# Altium PCB Spektrop2_Sensor_Board_CMV4000_V1.PcbDoc (part 1 of 2) (continued)
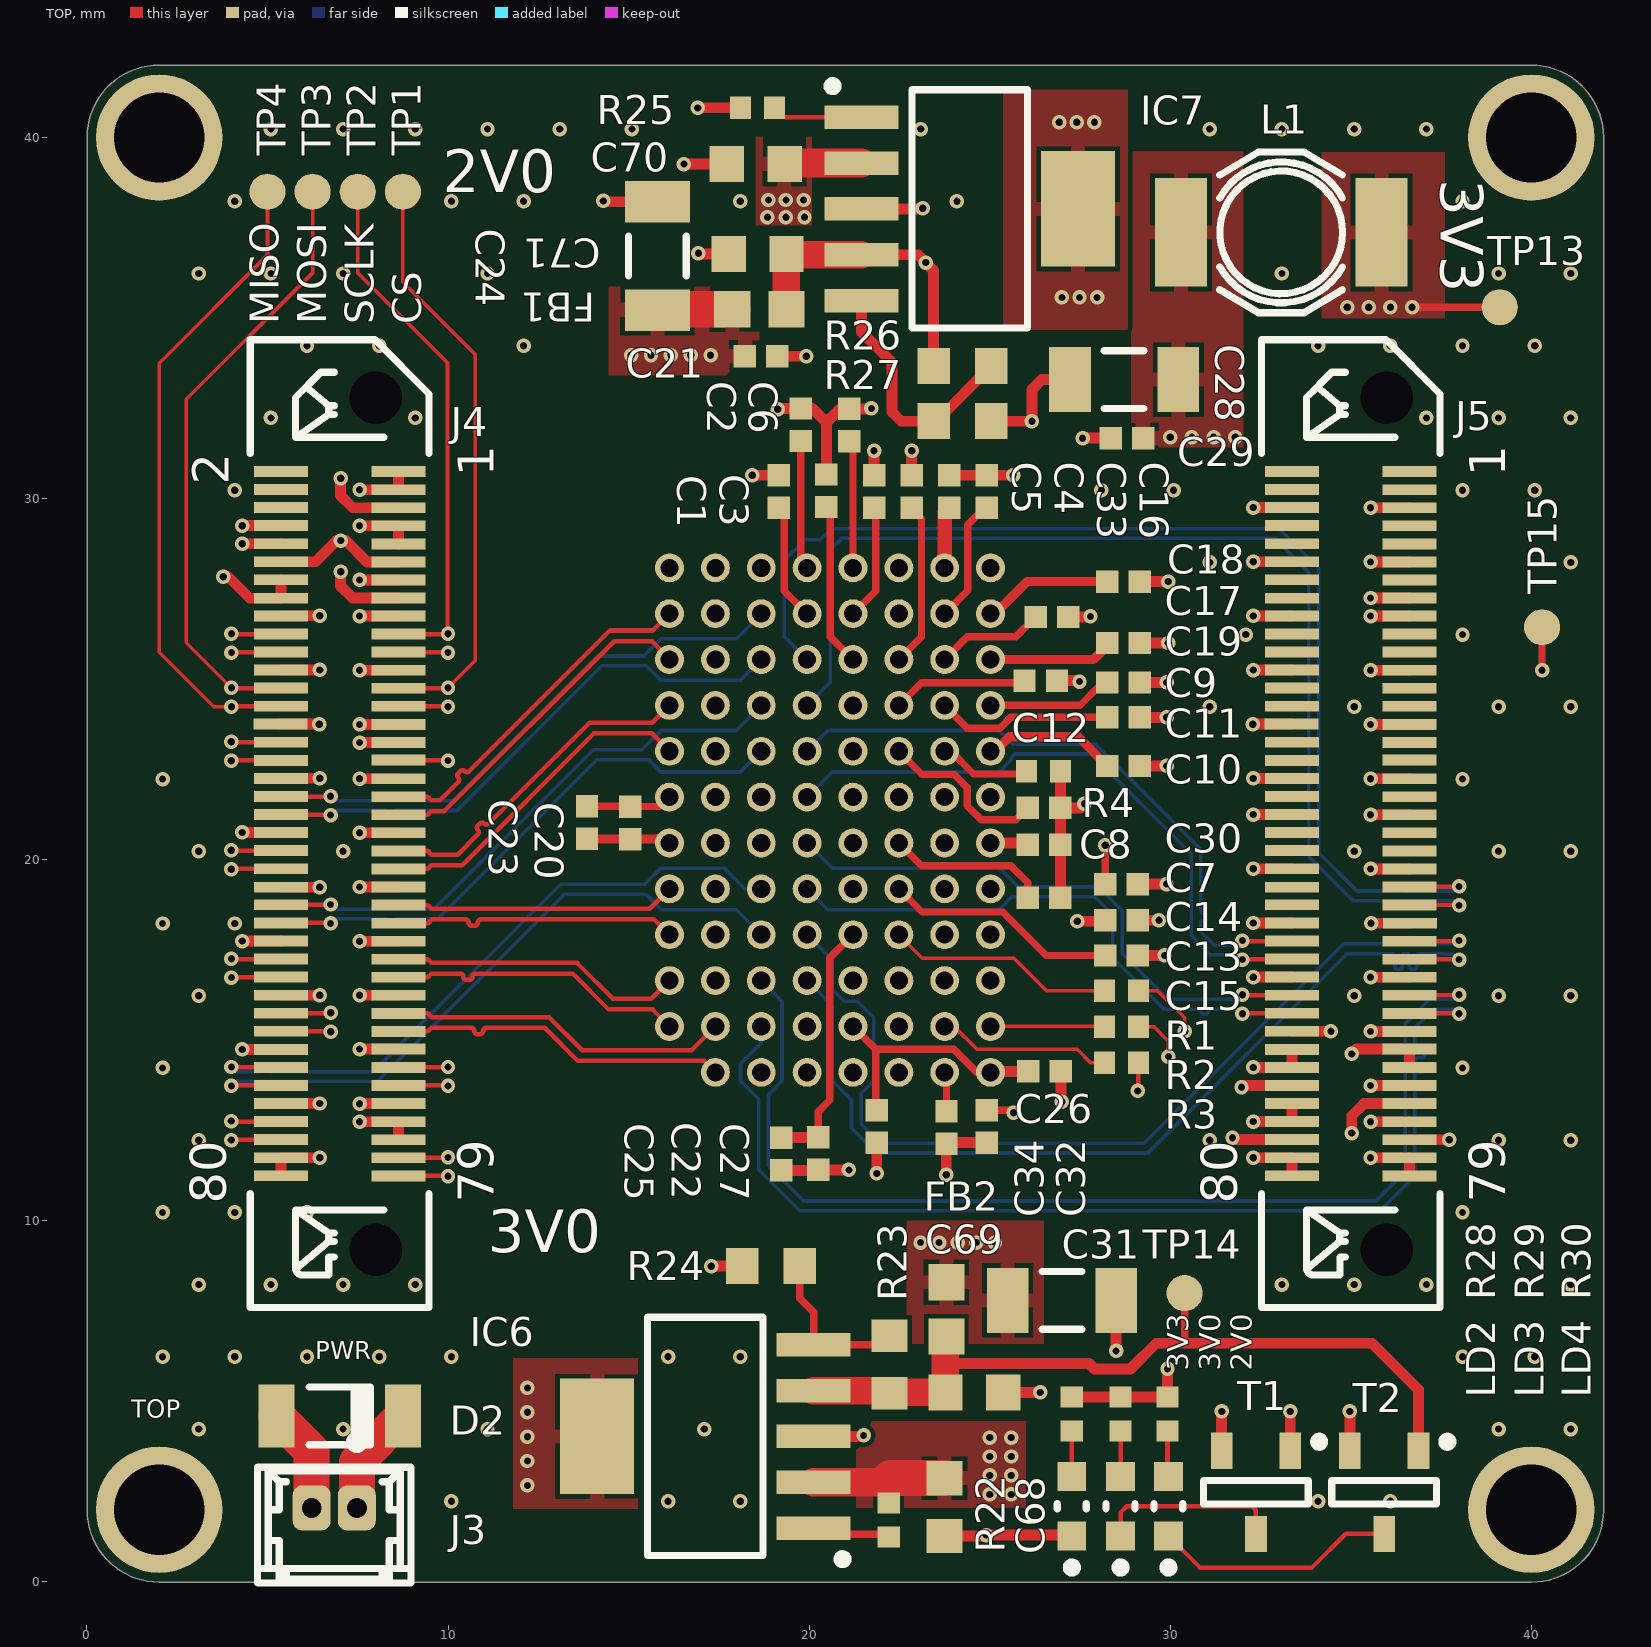
[diagram p0: TOP view]
## Design rules (kind name [scope] priority, off if disabled: settings) (continued)
13 further rules are at their usual default settings.

## Classes and differential pairs
net class CTRL: CLK_IN FRAME_REQ SPI_CLK SPI_EN SPI_IN SPI_OUT SPI_OUT_R SYS_RES_N T_dig1 T_dig1_R T_dig2 T_dig2_R T_Exp1 T_Exp2
component class U_CMV4000: C1 C2 C3 C4 C5 C6 C7 C8 C9 C10 C11 C12 C13 C14 C15 C16 C17 C18 C19 C20 C21 C22 C23 C24 C25 C26 C27 C28 C29 C30 C31 C32 C33 C34 FB1 FB2 IC1 L1 R1 R2 R3 R4 TP1 TP2 TP3 TP4
pad class SMA: J7-2
pad class Direc: J3-37 J3-38
component class U_Power: C40 C41 C42 C43 C44 C45 C46 C47 C48 C49 C50 C51 C52 C53 C54 C55 C56 C57 C58 C59 C60 C61 C68 C69 C70 C71 D2 D3 D5 D6 FTG4 FTG5 FTG6 IC5 IC6 IC7 IC8 IC12 J3 LD2 LD3 LD4 OSC1 R22 R23 R24 R25 R26 R27 R28 R29 R30 R32 R33 R36 R37 R38 R39 R40 R41 R42 R43 R45 R48 T1 T2 TP13 TP14 TP15
component class U_Processor_Board_Connectors: J4 J5
net class PWR: GND P2V0 P3V0 P3V3 VDD20 VDD33 VDDPIX
net class DIFF100: LVDS_CLK_N LVDS_CLK_P OUT1_N OUT1_P OUT2_N OUT2_P OUT3_N OUT3_P OUT4_N OUT4_P OUT5_N OUT5_P OUT6_N OUT6_P OUT7_N OUT7_P OUT8_N OUT8_P OUT9_N OUT9_P OUT10_N OUT10_P OUT11_N OUT11_P OUT12_N OUT12_P OUT13_N OUT13_P OUT14_N OUT14_P OUT15_N OUT15_P OUT16_N OUT16_P OUTCLK_N OUTCLK_P OUTCTR_N OUTCTR_P
differential pair OUTCTR: +OUTCTR_P -OUTCTR_N
differential pair OUTCLK: +OUTCLK_P -OUTCLK_N
differential pair OUT16: +OUT16_P -OUT16_N
differential pair OUT15: +OUT15_P -OUT15_N
differential pair OUT14: +OUT14_P -OUT14_N
differential pair OUT13: +OUT13_P -OUT13_N
differential pair OUT12: +OUT12_P -OUT12_N
differential pair OUT11: +OUT11_P -OUT11_N
differential pair OUT10: +OUT10_P -OUT10_N
differential pair OUT9: +OUT9_P -OUT9_N
differential pair OUT8: +OUT8_P -OUT8_N
differential pair OUT7: +OUT7_P -OUT7_N
differential pair OUT6: +OUT6_P -OUT6_N
differential pair OUT5: +OUT5_P -OUT5_N
differential pair OUT4: +OUT4_P -OUT4_N
differential pair OUT3: +OUT3_P -OUT3_N
differential pair OUT2: +OUT2_P -OUT2_N
differential pair OUT1: +OUT1_P -OUT1_N
differential pair LVDS_CLK: +LVDS_CLK_P -LVDS_CLK_N

## Components (designator, comment, footprint, x,y, rotation, side; value= is the part's Value field where it differs from the comment)
C1 "100nF" CAPC1005X55N 19.158,30.201 r270 top locked
C2 "100nF" CAPC1005X55N 19.767,32.048 r270 top locked
C3 "100nF" CAPC1005X55N 20.478,30.219 r270 top locked
C4 "100nF" CAPC1005X55N 22.841,30.2 r270 top locked
C5 "100nF" CAPC1005X55N 21.799,30.2 r270 top locked
C6 "100nF" CAPC1005X55N 21.113,32.04 r270 top locked
C7 "100nF" CAPC1005X55N 26.506,18.95 r180 top locked
C8 "100nF" CAPC1005X55N 26.506,21.437 r180 top locked
C9 "100nF" CAPC1005X55N 28.708,24.91 r180 top locked
C10 "100nF" CAPC1005X55N 28.708,22.599 r180 top locked
C11 "100nF" CAPC1005X55N 28.708,23.945 r180 top locked
C12 "100nF" CAPC1005X55N 26.415,24.961 r180 top locked
C13 "100nF" CAPC1005X55N 28.65,18.325 r180 top locked
C14 "100nF" CAPC1005X55N 28.65,19.325 r180 top locked
C15 "100nF" CAPC1005X55N 28.65,17.35 r180 top locked
C16 "100nF" CAPC1005X55N 24.923,30.2 r270 top locked
C17 "100nF" CAPC1005X55N 26.725,26.725 r180 top locked
C18 "100nF" CAPC1005X55N 28.708,27.704 r180 top locked
C19 "100nF" CAPC1005X55N 28.708,26.002 r180 top locked
C20 "100nF" CAPC1005X55N 13.849,21.031 r270 top locked
C21 "100nF" CAPC1005X55N 18.672,33.946 r0 top locked
C22 "100nF" CAPC1005X55N 20.25,11.862 r270 top locked
C23 "100nF" CAPC1005X55N 15.043,21.024 r270 top locked
C24 "22uF" CAPC3216X180N 15.797,36.721 r270 top locked
C25 "100nF" CAPC1005X55N 19.225,11.85 r90 top locked
C26 "100nF" CAPC1005X55N 26.524,14.141 r0 top locked
C27 "100nF" CAPC1005X55N 21.875,12.617 r270 top locked
C28 "22uF" CAPC3216X180N 28.725,33.3 r0 top locked
C29 "100nF" CAPC1005X55N 28.8,31.675 r0 top locked
C30 "100nF" CAPC1005X55N 26.506,20.421 r180 top locked
C31 "22uF" CAPC3216X180N 27,7.8 r180 top locked
C32 "100nF" CAPC1005X55N 24.923,12.617 r90 top locked
C33 "100nF" CAPC1005X55N 23.882,30.2 r270 top locked
C34 "100nF" CAPC1005X55N 23.806,12.584 r90 top locked
C68 "1uF" CAPC1608X87N 23.75,2.075 r90 top locked
C69 "1uF" CAPC1608X87N 24.575,5.25 r0 top locked
C70 "1uF" CAPC1608X87N 18.522,39.271 r0 top locked
C71 "1uF" CAPC1608X87N 18.572,36.771 r180 top locked
D2 "BZV55-B3V3" DIOMELF3515N 7,4.6 r180 top locked
FB1 "120R@100MHz" INDC1608X65N 18.622,35.246 r180 top locked
FB2 "120R@100MHz" INDC1608X65N 23.8,7.55 r90 top locked
IC1 "CMV4000-2E5C1PP" CMOSIS_CMV4000 20.58,21.1 r180 bottom locked
IC6 "MCP1826T-ADJE/DC" SOT127P700X180-6N 17.126,4.031 r180 top locked
IC7 "MCP1826T-ADJE/DC" SOT127P700X180-6N 24.45,38.025 r0 top locked
J3 "PicoBlade" MOLEX_53047-0210 6.85,2.05 r180 top locked
J4 "Header 80" SAMTEC_ERM5-040-05.0-L-DV-K 7,21 r90 top locked
J5 "Header 80" SAMTEC_ERM5-040-05.0-L-DV-K 35,21 r90 top locked
L1 "2.2uH" IND_BOURNS_SDR6603 33.075,37.375 r180 top locked
LD2 "Green" LED_KINGBRIGHT_KPH-1608CGCK 27.275,2.1 r90 top locked
LD3 "Green" LED_KINGBRIGHT_KPH-1608CGCK 28.625,2.1 r90 top locked
LD4 "Green" LED_KINGBRIGHT_KPH-1608CGCK 29.95,2.1 r90 top locked
R1 "22" RESC1005X40N 28.648,16.375 r180 top locked
R2 "22" RESC1005X40N 28.648,15.375 r180 top locked
R3 "22" RESC1005X40N 28.648,14.375 r180 top locked
R4 "0" RESC1005X40N 26.491,22.453 r180 top locked
R22 "10k" RESC1005X40N 22.204,1.715 r270 top
R23 "4k3" RESC1608X55N 22.225,6.025 r270 top locked
R24 "680" RESC1608X55N 18.942,8.756 r0 top locked
R25 "10k" RESC1005X40N 18.572,40.821 r0 top locked
R26 "6k2" RESC1608X55N 24.247,33.671 r180 top locked
R27 "1k6" RESC1608X55N 24.247,32.146 r180 top locked
R28 "1k" RESC1005X40N 27.275,4.65 r90 top locked
R29 "10k" RESC1005X40N 28.624,4.65 r90 top locked
R30 "10k" RESC1005X40N 29.925,4.65 r90 top locked
T1 "BSH103" SOT95P230X110-3N 32.375,2.484 r270 top locked
T2 "BSH103" SOT95P230X110-3N 35.925,2.484 r270 top locked
TP1 "SMD Pad" C100 8.75,38.5 r90 top
TP2 "SMD Pad" C100 7.5,38.5 r270 top
TP3 "SMD Pad" C100 6.25,38.5 r270 top
TP4 "SMD Pad" C100 5,38.5 r90 top
TP13 "SMD Pad" C100 39.125,35.3 r270 top
TP14 "SMD Pad" C100 30.4,8 r270 top
TP15 "SMD Pad" C100 40.3,26.438 r270 top

## Footprints (in the part's own frame and the unit in brackets; to place one, negate y for a bottom-side part, rotate by r counter-clockwise, add the part's x,y. Pads: shape width x height; smd on the part's side, far side on the other; paste and mask are expansions set on the pad)
C100 [mm] "1mm Diameter SMD Pad"
  round 1 smd paste-1: 1(0,0)
CAPC1005X55N [mm] "Chip Capacitor, Body 1.0x0.55mm, IPC Medium Density"
  rect 0.62x0.62 smd: 1(-0.45,0) 2(0.45,0)
  body extent -0.52,-0.27 0.53,0.28, height 0.55
CAPC1608X87N [mm] "Chip Capacitor, Body 1.6x0.8mm IPC Medium Density"
  rect 0.95x1 smd: 1(-0.8,0) 2(0.8,0)
  body extent -0.87,-0.47 0.88,0.48, height 0.87
CAPC3216X180N [mm] "Chip Capacitor, Body 3.2x1.6mm, IPC Medium Density"
  rect 1.15x1.8 smd: 1(-1.5,0) 2(1.5,0)
  silkscreen extent -0.55,-0.8 0.55,0.8, body extent -1.7,-0.9 1.7,0.9, height 1.8
CMOSIS_CMV4000 [mm] "Megapixel machine vision CMOS image sensor"
  round 0.8 hole 0.5: A2(4.445,-5.715) A3(4.445,-4.445) A4(4.445,-3.175) A5(4.445,-1.905) A6(4.445,-0.635) A7(4.445,0.635) A8(4.445,1.905) A9(4.445,3.175) A10(4.445,4.445) A11(4.445,5.715) A12(4.445,6.985) B1(3.175,-6.985) B2(3.175,-5.715) B3(3.175,-4.445) B4(3.175,-3.175) B5(3.175,-1.905) B6(3.175,-0.635) B7(3.175,0.635) B8(3.175,1.905) B9(3.175,3.175) B10(3.175,4.445) B11(3.175,5.715) B12(3.175,6.985) C1(1.905,-6.985) C2(1.905,-5.715) C3(1.905,-4.445) C4(1.905,-3.175) C5(1.905,-1.905) C6(1.905,-0.635) C7(1.905,0.635) C8(1.905,1.905) C9(1.905,3.175) C10(1.905,4.445) C11(1.905,5.715) C12(1.905,6.985) D1(0.635,-6.985) D2(0.635,-5.715) D3(0.635,-4.445) D4(0.635,-3.175) D5(0.635,-1.905) D6(0.635,-0.635) D7(0.635,0.635) D8(0.635,1.905) D9(0.635,3.175) D10(0.635,4.445) D11(0.635,5.715) D12(0.635,6.985) E1(-0.635,-6.985) E2(-0.635,-5.715) E3(-0.635,-4.445) E4(-0.635,-3.175) E5(-0.635,-1.905) E6(-0.635,-0.635) E7(-0.635,0.635) E8(-0.635,1.905) E9(-0.635,3.175) E10(-0.635,4.445) E11(-0.635,5.715) E12(-0.635,6.985) F1(-1.905,-6.985) F2(-1.905,-5.715) F3(-1.905,-4.445) F4(-1.905,-3.175) F5(-1.905,-1.905) F6(-1.905,-0.635) F7(-1.905,0.635) F8(-1.905,1.905) F9(-1.905,3.175) F10(-1.905,4.445) F11(-1.905,5.715) F12(-1.905,6.985) G1(-3.175,-6.985) G2(-3.175,-5.715) G3(-3.175,-4.445) G4(-3.175,-3.175) G5(-3.175,-1.905) G6(-3.175,-0.635) G7(-3.175,0.635) G8(-3.175,1.905) G9(-3.175,3.175) G10(-3.175,4.445) G11(-3.175,5.715) G12(-3.175,6.985) H1(-4.445,-6.985) H2(-4.445,-5.715) H3(-4.445,-4.445) H4(-4.445,-3.175) H5(-4.445,-1.905) H6(-4.445,-0.635) H7(-4.445,0.635) H8(-4.445,1.905) H9(-4.445,3.175) H10(-4.445,4.445) H11(-4.445,5.715) H12(-4.445,6.985)
  silkscreen extent -9.33,-9.33 9.33,9.33, body extent -9.42,-9.42 9.42,9.42, height 3.58
DIOMELF3515N [mm] "SOD80C, MELF Diode, 2-Leads, Body 3.5x1.5mm, IPC Medium Density"
  rect 1x1.75 smd: 1(-1.75,0) 2(1.75,0)
  silkscreen extent -0.85,-0.8 0.85,0.8, body extent -1.85,-0.8 1.85,0.8, height 1.6
IND_BOURNS_SDR6603 [mm] "SMD Inductor  Body Width 4.45mm Body Lenght 6.6mm Height 2.92mm"
  rect 1.45x3 smd: 1(-2.775,0) 2(2.775,0)
  silkscreen extent -1.7,-2.23 1.7,2.22, body extent -3.3,-2.22 3.3,2.23, height 2.92
INDC1608X65N [mm] "Chip Inductor, 2-Leads, EIA 0603, Metric 1608, Body 1.6x0.8mm, IPC Medium Density"
  rect 1x1 smd: 1(-0.75,0) 2(0.75,0)
  body extent -0.87,-0.47 0.88,0.48, height 0.65
LED_KINGBRIGHT_KPH-1608CGCK [mm] "SMT Green LED, Case 0603, Body L 1.6 x W 0.8mm H 0.65mm"
  rect 0.8x0.8 smd: 1(-0.825,0) 2(0.825,0)
  silkscreen extent -1.82,-0.4 0.08,0.4, body extent -0.8,-0.4 0.8,0.4, height 0.65
MOLEX_53047-0210 [mm] "1.25mm Pitch PicoBlade™ Wire-to-Board 2 Circuits Vertical Header with Friction Lock"
  rrect50% 1.05x1.25 hole 0.55: 1(-0.625,0) 2(0.625,0)
  silkscreen extent -2.13,-1.97 2.13,2.08, body extent -2.12,-1.17 2.13,2.08, height 4.2
RESC1005X40N [mm] "Chip Resistor, EIA 0402, Metric 1005, Body 1.0x0.5mm, IPC Medium Density"
  rect 0.58x0.62 smd: 1(-0.47,0) 2(0.47,0)
  body extent -0.52,-0.27 0.53,0.28, height 0.4
RESC1608X55N [mm] "Chip Resistor, EIA 0603, Metric 1608, Body 1.6x0.8mm, IPC Medium Density"
  rect 0.9x1 smd: 1(-0.8,0) 2(0.8,0)
  body extent -0.87,-0.47 0.88,0.48, height 0.55
SAMTEC_ERM5-040-05.0-L-DV-K [mm] "80 Contacts, Pitch 0.5mm, Edge Rate™ Rugged High Speed Straight Header Strip, Lead Style 5.0"
  rect 0.3x1.5 smd: 1(9.75,-1.626) 2(9.754,1.626) 3(9.25,-1.626) 4(9.253,1.626) 5(8.75,-1.626) 6(8.754,1.626) 7(8.25,-1.626) 8(8.254,1.626) 9(7.75,-1.626) 10(7.754,1.626) 11(7.25,-1.626) 12(7.254,1.626) 13(6.75,-1.626) 14(6.754,1.626) 15(6.25,-1.626) 16(6.242,1.626) 17(5.75,-1.626) 18(5.754,1.626) 19(5.25,-1.626) 20(5.253,1.626) 21(4.75,-1.626) 22(4.754,1.626) 23(4.25,-1.626) 24(4.254,1.626) 25(3.75,-1.626) 26(3.753,1.626) 27(3.25,-1.626) 28(3.254,1.626) 29(2.75,-1.626) 30(2.756,1.638) 31(2.246,-1.626) 32(2.254,1.626) 33(1.759,-1.626) 34(1.754,1.626) 35(1.246,-1.626) 36(1.253,1.626) 37(0.746,-1.626) 38(0.753,1.626) 39(0.247,-1.626) 40(0.253,1.626) 41(-0.253,-1.626) 42(-0.247,1.626) 43(-0.753,-1.626) 44(-0.746,1.626) 45(-1.253,-1.626) 46(-1.246,1.626) 47(-1.754,-1.626) 48(-1.759,1.626) 49(-2.254,-1.626) 50(-2.246,1.626) 51(-2.756,-1.638) 52(-2.75,1.626) 53(-3.254,-1.626) 54(-3.25,1.626) 55(-3.753,-1.626) 56(-3.75,1.626) 57(-4.254,-1.626) 58(-4.25,1.626) 59(-4.754,-1.626) 60(-4.75,1.626) 61(-5.253,-1.626) 62(-5.25,1.626) 63(-5.754,-1.626) 64(-5.75,1.626) 65(-6.242,-1.626) 66(-6.25,1.626) 67(-6.754,-1.626) 68(-6.75,1.626) 69(-7.254,-1.626) 70(-7.25,1.626) 71(-7.754,-1.626) 72(-7.75,1.626) 73(-8.254,-1.626) 74(-8.25,1.626) 75(-8.754,-1.626) 76(-8.75,1.626) 77(-9.253,-1.626) 78(-9.25,1.626) 79(-9.754,-1.626) 80(-9.75,1.626)
  round 0.5 hole 1.45 unplated mask+0.475: 81(-11.8,-1) 82(11.8,-1)
  silkscreen extent -13.4,-2.47 13.4,2.47, body extent -13.4,-2.47 13.4,2.48, height 8.94
SOT95P230X110-3N [mm] "SOT23, 3 pin, Pitch 0.95mm - 1.3mm W X 2.9mm L X 1.1mm H, IPC Medium Density"
  rect 1x0.6 smd: 1(-1.15,0.95) 2(-1.15,-0.95) 3(1.15,0)
  silkscreen extent -1.52,-1.45 0.33,1.88, body extent -1.08,-1.5 1.25,1.5, height 1.1
SOT127P700X180-6N [mm] "SOT223, 6-Leads, Body 6.6x7.3mm (max), Pitch 1.27mm, IPC Medium Density"
  rect 2.05x0.65 smd: 1(-3,2.54) 2(-3,1.27) 3(-3,0) 4(-3,-1.27) 5(-3,-2.54)
  rect 2.05x3.2 smd: 6(3,0)
  silkscreen extent -3.93,-3.3 1.6,3.52, body extent -3.68,-3.27 3.68,3.28, height 1.8

## Part data
C1 C2 C3 C4 C5 C6 C7 C8 C9 C10 C11 C12 C13 C14 C15 C16 C17 C18 C19 C20 C21 C22 C23 C25 C26 C27 C29 C30 C32 C33 C34: library part CC0402_100NF_16V_10%_X7R, "Non-polarised capacitor", Case=0402, Manufacturer=GENERIC, Manufacturer1 ComponentHeight=0.55mm, Manufacturer1 Example=MURATA, Manufacturer1 Part Number=GRM155R71C104KA88D, Tolerance=±10%, Voltage=16V, Author="CERN DEM JLC", Component Type=Standard, CreateDate=05-Dec-13, HelpURL=\\cern.ch\dfs\Applications\Altium\Datasheets\CC0402_X7R_MURATA_GRM.pdf, LatestRevisionDate=03-Dec-07, Manufacturer Part Number=CC0402_100NF_16V_10%_X7R, Mounted=Yes, Part Description="SMD Multilayer Chip Ceramic Capacitor", Part Number=CC0402_100NF_16V_10%_X7R, Pin Count=2, Sense=No, SMD=Yes, Socket=No, Status="Not Recommended", TC=X7R
C24 C28 C31: library part CC1206_22UF_10V_10%_X7R, "Non-polarised capacitor", Case=1206, Manufacturer=GENERIC, Manufacturer1 ComponentHeight=1.8mm, Manufacturer1 Example=MURATA, Manufacturer1 Part Number=GRM31CR71A226KE15L, Tolerance=±10%, Voltage=10V, Author="CERN DEM JLC", Component Type=Standard, CreateDate=08-Jun-10, HelpURL=\\cern.ch\dfs\Applications\Altium\Datasheets\CC1206_X7R_MURATA_GRM-HI-CAP.pdf, LatestRevisionDate=08-Jun-10, Manufacturer Part Number=CC1206_22UF_10V_10%_X7R, Mounted=Yes, Part Description="SMD Multilayer Chip Ceramic Capacitor", Part Number=CC1206_22UF_10V_10%_X7R, Pin Count=2, Sense=No, SMD=Yes, Socket=No, Status=Preferred, TC=X7R
C68 C69 C70 C71: library part CC0603_1UF_16V_10%_X7R, "Non-polarised capacitor", Case=0603, Manufacturer=GENERIC, Manufacturer1 ComponentHeight=0.9mm, Manufacturer1 Example="YAGEO PHYCOMP", Manufacturer1 Part Number=223878615663, Manufacturer Part Number=CC0603_1uF_16V_10%_X7R, Tolerance=±10%, Voltage=16V, Author="CERN DEM JLC", Component Type=Standard, CreateDate=03-Dec-07, HelpURL=\\cern.ch\dfs\Applications\Altium\Datasheets\CC0603_X7R_PHYCOMP.pdf, LatestRevisionDate=17-Apr-15, Mounted=Yes, Part Description="SMD Multilayer Chip Ceramic Capacitor", Part Number=CC0603_1UF_16V_10%_X7R, Pin Count=2, Sense=No, SMD=Yes, Socket=No, Status=None, TC=X7R
D2: "Zener Diode", Case=SOD-80C, Manufacturer="NXP SEMICONDUCTORS", Power=500mW, Voltage=3V3, Author="CERN DEM JLC", Bonding=No, ComponentHeight=1.6mm, Component Type=Standard, CreateDate=06-May-08, Device=BZV55-B3V3, HelpURL=\\cern.ch\dfs\Applications\Altium\Datasheets\BZV55.pdf, LatestRevisionDate=06-May-08, Manufacturer Part Number=BZV55-B3V3, Mounted=Yes, PackageDescription="SOD80C, MELF Diode, 2-Leads, Body 3.5x1.5mm, IPC Medium Density", Part Description="Voltage Regulator Diode", Part Number=BZV55-B3V3, Pin Count=2, PressFit=No, Sense=No, SMD=Yes, Socket=No
FB1 FB2: library part IND0603_MURATA_BLM18SG121TN1D, "Inductor", Case=0603, Manufacturer=MURATA, Manufacturer Part Number=BLM18SG121TN1D, Power=3A, Resistance=0.025R, Tolerance=±25%, Author="CERN DEM JLC", ComponentHeight=0.65mm, Component Type=Standard, CreateDate=23-Jul-14, HelpURL=\\cern.ch\dfs\Applications\Altium\Datasheets\IND0603_MURATA_BLM18S.pdf, LatestRevisionDate=23-Jul-14, Mounted=Yes, Part Description="SMD EMIFIL Suppression Chip Ferrite Bead", Part Number=IND0603_MURATA_BLM18SG121TN1D, Pin Count=2, Sense=No, SMD=Yes, Socket=No, Status=None
IC1: "Megapixel Machine Vision CMOS Image Sensor", Manufacturer=CMOSIS, Author="CERN DEM JLC", Bonding=No, ComponentHeight=3.58mm, Component Type=Standard, CreateDate=17-Sep-12, Device=CMV4000-2E5C1PP, HelpURL=\\cern.ch\dfs\Applications\Altium\Datasheets\CMV4000-2E5C1PP.pdf, LatestRevisionDate=17-Sep-12, Manufacturer Part Number=CMV4000-2E5C1PP, Mounted=Yes, PackageDescription="Megapixel Machine Vision CMOS Image Sensor", Part Description="Megapixel Machine Vision CMOS Image Sensor", Part Number=CMV4000-2E5C1PP, Pin Count=95, PressFit=No, Sense=No, SMD=No, Socket=No
IC6 IC7: "0.8V to 5.0V, 1A Low Voltage, Low Quiescent Current, Adjustable Positive LDO Regulator", Case=SOT223, Manufacturer="MICROCHIP TECHNOLOGY", Author="CERN DEM JLC", Bonding=No, ComponentHeight=1.8mm, Component Type=Standard, CreateDate=03-Oct-12, Device=MCP1826T-ADJE/DC, HelpURL=\\cern.ch\dfs\Applications\Altium\Datasheets\MCP1826T-ADJE-DC.pdf, LatestRevisionDate=03-Oct-12, Manufacturer Part Number=MCP1826T-ADJE/DC, Mounted=Yes, PackageDescription="SOT223, 6-Leads, Body 6.6x7.3mm (max), Pitch 1.27mm, IPC Medium Density", Part Description="0.8V to 5.0V, 1A Low Voltage, Low Quiescent Current, Adjustable Positive LDO Regulator", Part Number=MCP1826T-ADJE/DC, Pin Count=6, PressFit=No, Sense=No, SMD=Yes, Socket=No
J3: library part MOLEX_53047-0210, "Connector 2 Male", Manufacturer=MOLEX, Manufacturer Part Number=53047-0210, Author="CERN DEM JLC", ComponentHeight=4.2mm, Component Type=Standard, CreateDate=20-Mar-13, Family=PicoBlade, HelpURL=\\cern.ch\dfs\Applications\Altium\Datasheets\MOLEX_53047-0210.pdf, LatestRevisionDate=20-Mar-13, Mounted=Yes, Part Description="1.25mm Pitch PicoBlade™ Wire-to-Board 2 Circuits Vertical Header with Friction Lock", Part Number=MOLEX_53047-0210, Pin Count=2, PressFit=No, Sense=No, SMD=No, Socket=No, Status=None
J4 J5: library part SAMTEC_ERM5-040-05.0-L-DV-K, "Connector 80 Male", Manufacturer=SAMTEC, Manufacturer Part Number=ERM5-040-05.0-L-DV-K, Author="CERN DEM MR", ComponentHeight=8.94mm, Component Type=Standard, CreateDate=24-Feb-16, Family="Header 80", HelpURL=\\cern.ch\dfs\Applications\Altium\Datasheets\SAMTEC_ERM5-040-05.0-L-DV-K.pdf, LatestRevisionDate=24-Feb-16, Mounted=Yes, Part Description="80 Contacts, Pitch 0.5mm, Edge Rate™ Rugged High Speed Straight Header Strip, Lead Style 5.0", Part Number=SAMTEC_ERM5-040-05.0-L-DV-K, Pin Count=80, PressFit=No, Sense=No, SMD=Yes, Socket=No, Status=None
L1: library part IND_2.2UH_20%_BOURNS_SDR6603, "Inductor", Manufacturer=BOURNS, Manufacturer Part Number=SDR6603-2R2M, Power=2.4A, Resistance=0.007R, Tolerance=±20%, Author="CERN DEM JMW", ComponentHeight=2.92mm, Component Type=Standard, CreateDate=09-Jul-15, HelpURL=\\cern.ch\dfs\Applications\Altium\Datasheets\IND_BOURNS_SDR6603.pdf, LatestRevisionDate=09-Jul-15, Mounted=Yes, Part Description="SMD Power Inductor", Part Number=IND_2.2UH_20%_BOURNS_SDR6603, Pin Count=2, Sense=No, SMD=Yes, Socket=No, Status=None
LD2 LD3 LD4: library part LED_KINGBRIGHT_KPH-1608CGCK, "LED Green 1C 2A", Manufacturer=KINGBRIGHT, Manufacturer Part Number=KPH-1608CGCK, Author="CERN DEM JLC", Bonding=No, Color=Green, ComponentHeight=0.65mm, Component Type=Standard, CreateDate=03-Jul-17, HelpURL=\\cern.ch\dfs\Applications\Altium\Datasheets\LED_KINGBRIGHT_KPH-1608CGCK.pdf, LatestRevisionDate=03-Jul-17, Mounted=Yes, PackageDescription="SMT Green LED, Case 0603, Body L 1.6 x W 0.8mm H 0.65mm", Part Description="SMD Green LED, Case 1.6mmX0.8mm(0603), 0.65mm Thickness", Part Number=LED_KINGBRIGHT_KPH-1608CGCK, Pin Count=2, PressFit=No, Sense=No, SMD=Yes, Socket=No
R1 R2 R3: library part R0402_22R_1%_0.0625W_100PPM, "Resistor - 1%", Case=0402, Manufacturer=GENERIC, Manufacturer1 ComponentHeight=0.4mm, Manufacturer1 Example="YAGEO PHYCOMP", Manufacturer1 Part Number=232270672209L, Power=0.0625W, Tolerance=±1%, Author="CERN DEM JLC", Component Type=Standard, CreateDate=03-Dec-07, HelpURL=\\cern.ch\dfs\Applications\Altium\Datasheets\R0402_Phycomp_RC0402.pdf, LatestRevisionDate=17-Oct-12, Manufacturer Part Number=R0402_22R_1%_0.0625W_100PPM, Mounted=Yes, Part Description="General Purpose Thick Film Chip Resistor", Part Number=R0402_22R_1%_0.0625W_100PPM, Pin Count=2, PressFit=No, Sense=No, SMD=Yes, Socket=No, Status="Not Recommended", TC=±100ppm/°C
R4: library part R0402_0R_JUMPER, "Resistor", Case=0402, Manufacturer=GENERIC, Manufacturer1 ComponentHeight=0.4mm, Manufacturer1 Example="YAGEO PHYCOMP", Manufacturer1 Part Number=232270591001L, Author="CERN DEM JLC", Component Type=Standard, CreateDate=03-Dec-07, HelpURL=\\cern.ch\dfs\Applications\Altium\Datasheets\R0402_Phycomp_RC0402.pdf, LatestRevisionDate=17-Oct-12, Manufacturer Part Number=R0402_0R_JUMPER, Mounted=Yes, Part Description="1A (0.05R Max DC Resistance) Zero Ohm Jumper", Part Number=R0402_0R_JUMPER, Pin Count=2, PressFit=No, Sense=No, SMD=Yes, Socket=No, Status="Not Recommended"
R22 R25: library part R0402_10K_1%_0.0625W_100PPM, "Resistor - 1%", Case=0402, Manufacturer=GENERIC, Manufacturer1 ComponentHeight=0.4mm, Manufacturer1 Example="YAGEO PHYCOMP", Manufacturer1 Part Number=232270671003L, Power=0.0625W, Tolerance=±1%, Author="CERN DEM JLC", Component Type=Standard, CreateDate=03-Dec-07, HelpURL=\\cern.ch\dfs\Applications\Altium\Datasheets\R0402_Phycomp_RC0402.pdf, LatestRevisionDate=17-Oct-12, Manufacturer Part Number=R0402_10K_1%_0.0625W_100PPM, Mounted=Yes, Part Description="General Purpose Thick Film Chip Resistor", Part Number=R0402_10K_1%_0.0625W_100PPM, Pin Count=2, PressFit=No, Sense=No, SMD=Yes, Socket=No, Status="Not Recommended", TC=±100ppm/°C
R23: library part R0603_4K3_1%_0.1W_100PPM, "Resistor - 1%", Case=0603, Manufacturer=GENERIC, Manufacturer1 ComponentHeight=0.55mm, Manufacturer1 Example="NIC COMPONENT", Manufacturer1 Part Number=NRC06F4301TRF, Power=0.1W, Tolerance=±1%, Author="CERN DEM JLC", Component Type=Standard, CreateDate=03-Dec-07, HelpURL=\\cern.ch\dfs\Applications\Altium\Datasheets\R0603_NIC_NRC.pdf, LatestRevisionDate=13-Mar-08, Manufacturer Part Number=R0603_4K3_1%_0.1W_100PPM, Mounted=Yes, Part Description="General Purpose Thick Film Chip Resistor", Part Number=R0603_4K3_1%_0.1W_100PPM, Pin Count=2, PressFit=No, Sense=No, SMD=Yes, Socket=No, Status=Preferred, TC=±100ppm/°C
R24: library part R0603_680R_1%_0.1W_100PPM, "Resistor - 1%", Case=0603, Manufacturer=GENERIC, Manufacturer1 ComponentHeight=0.55mm, Manufacturer1 Example="NIC COMPONENT", Manufacturer1 Part Number=NRC06F6800TRF, Power=0.1W, Tolerance=±1%, Author="CERN DEM JLC", Component Type=Standard, CreateDate=03-Dec-07, HelpURL=\\cern.ch\dfs\Applications\Altium\Datasheets\R0603_NIC_NRC.pdf, LatestRevisionDate=13-Mar-08, Manufacturer Part Number=R0603_680R_1%_0.1W_100PPM, Mounted=Yes, Part Description="General Purpose Thick Film Chip Resistor", Part Number=R0603_680R_1%_0.1W_100PPM, Pin Count=2, PressFit=No, Sense=No, SMD=Yes, Socket=No, Status=Preferred, TC=±100ppm/°C
R26: library part R0603_6K2_1%_0.1W_100PPM, "Resistor - 1%", Case=0603, Manufacturer=GENERIC, Manufacturer1 ComponentHeight=0.55mm, Manufacturer1 Example="NIC COMPONENT", Manufacturer1 Part Number=NRC06F6201TRF, Power=0.1W, Tolerance=±1%, Author="CERN DEM JLC", Component Type=Standard, CreateDate=03-Dec-07, HelpURL=\\cern.ch\dfs\Applications\Altium\Datasheets\R0603_NIC_NRC.pdf, LatestRevisionDate=13-Mar-08, Manufacturer Part Number=R0603_6K2_1%_0.1W_100PPM, Mounted=Yes, Part Description="General Purpose Thick Film Chip Resistor", Part Number=R0603_6K2_1%_0.1W_100PPM, Pin Count=2, PressFit=No, Sense=No, SMD=Yes, Socket=No, Status=Preferred, TC=±100ppm/°C
R27: library part R0603_1K6_1%_0.1W_100PPM, "Resistor - 1%", Case=0603, Manufacturer=GENERIC, Manufacturer1 ComponentHeight=0.55mm, Manufacturer1 Example="NIC COMPONENT", Manufacturer1 Part Number=NRC06F1601TRF, Power=0.1W, Tolerance=±1%, Author="CERN DEM JLC", Component Type=Standard, CreateDate=03-Dec-07, HelpURL=\\cern.ch\dfs\Applications\Altium\Datasheets\R0603_NIC_NRC.pdf, LatestRevisionDate=13-Mar-08, Manufacturer Part Number=R0603_1K6_1%_0.1W_100PPM, Mounted=Yes, Part Description="General Purpose Thick Film Chip Resistor", Part Number=R0603_1K6_1%_0.1W_100PPM, Pin Count=2, PressFit=No, Sense=No, SMD=Yes, Socket=No, Status=Preferred, TC=±100ppm/°C
R28: library part R0402_1k_1%_0.0625W_100PPM, "Resistor - 1%", Case=0402, Manufacturer=GENERIC, Manufacturer1 ComponentHeight=0.4mm, Manufacturer1 Example="YAGEO PHYCOMP", Manufacturer1 Part Number=232270671002L, Manufacturer Part Number=R0402_1K_1%_0.0625W_100PPM, Power=0.0625W, Tolerance=±1%, Author="CERN DEM JLC", Component Type=Standard, CreateDate=03.12.2007, HelpURL=\\cern.ch\dfs\Applications\Altium\Datasheets\R0402_Phycomp_RC0402.pdf, LatestRevisionDate=17.10.2012, Mounted=Yes, Part Description="General Purpose Thick Film Chip Resistor", Part Number=R0402_1K_1%_0.0625W_100PPM, Pin Count=2, PressFit=No, Sense=No, SMD=Yes, Socket=No, Status="Not Recommended", TC=±100ppm/°C
R29 R30: library part R0402_10k_1%_0.0625W_100PPM, "Resistor - 1%", Case=0402, Manufacturer=GENERIC, Manufacturer1 ComponentHeight=0.4mm, Manufacturer1 Example="YAGEO PHYCOMP", Manufacturer1 Part Number=232270671003L, Manufacturer Part Number=R0402_10K_1%_0.0625W_100PPM, Power=0.0625W, Tolerance=±1%, Author="CERN DEM JLC", Component Type=Standard, CreateDate=03.12.2007, HelpURL=\\cern.ch\dfs\Applications\Altium\Datasheets\R0402_Phycomp_RC0402.pdf, LatestRevisionDate=17.10.2012, Mounted=Yes, Part Description="General Purpose Thick Film Chip Resistor", Part Number=R0402_10K_1%_0.0625W_100PPM, Pin Count=2, PressFit=No, Sense=No, SMD=Yes, Socket=No, Status="Not Recommended", TC=±100ppm/°C
T1 T2: "N-CHANNEL MOSFET WITH DIODE", Case=SOT23-3, Manufacturer=NEXPERIA, Author="CERN DEM JLC", Bonding=No, ComponentHeight=1.1mm, Component Type=Standard, CreateDate=16.03.2010, Device=BSH103, HelpURL=\\cern.ch\dfs\Applications\Altium\Datasheets\BSH103.pdf, LatestRevisionDate=20.06.2017, Manufacturer Part Number=BSH103, Mounted=Yes, PackageDescription="SOT23, 3 pin, Pitch 0.95mm - 1.3mm W X 2.9mm L X 1.1mm H, IPC Medium Density", Part Description="30V 850mA N-Channel Enhancement Mode Field-Effect Transistor", Part Number=BSH103, Pin Count=3, PressFit=No, Sense=No, SMD=Yes, Socket=No
TP1 TP2 TP3 TP4 TP13 TP14 TP15: library part SMD_PAD_D1MM, "Through Hole Pad", Author="CERN DEM JLC", ComponentHeight=0mm, Component Type="Standard (No BOM)", CreateDate=10-Oct-17, Family="SMD Pad", HelpURL=Undefined, LatestRevisionDate=10-Oct-17, Mounted=No, PackageDescription="1mm Diameter SMD Pad", Part Description="1mm Diameter SMD Pad", Part Number=SMD_PAD_D1MM, Pin Count=1, Sense=No, SMD=No, Socket=No, Status=None

## Free pads (board coordinates)
  round 3.5 hole 2.5: 1(2,2) 1(2,40) 1(40,2) 1(40,40)

## Via types
v1: diameter 0.4, hole 0.2, TOP to BTM, tented both sides, 294 vias

## Nets (pads, with @x,y where several pads share a name; then routed paths per layer and width w, separated by ;. In a path a pad name is that pad's centre, name@x,y a point inside that pad or via, vN(x,y) a via of type N, cw(c..) or ccw(c..) an arc to the next point about the centre after c; other vN are vias at no path point)
CLK_IN: IC1.E1 J4.27 | length 21.6
  TOP w0.125: J4.27@8.626,24.25 9.987,24.25 v1(9.999,24.237)
  L2 w0.1: v1(9.999,24.237) 10.588,24.237 10.6,24.225 10.95,24.225 13.3,21.875 13.3,15.85 16.575,12.575 18.25,12.575
  L2 w0.125: 18.25,12.575 19.675,12.575 IC1.E1@21.215,14.115
FRAME_REQ: IC1.F2 J4.33 | length 25.9
  TOP w0.125: J4.33@8.626,22.759 9.987,22.759 v1(9.999,22.747)
  L2 w0.1: v1(9.999,22.747) 10.753,22.747 12,21.5 12,14.025 15.225,10.8 19.25,10.8
  L2 w0.125: 19.25,10.8 21.85,13.4 21.85,14.75 IC1.F2@22.485,15.385
GND: C1.1 C2.1 C3.1 C5.1 C6.1 C7.1 C8.1 C9.1 C10.1 C11.1 C12.1 C14.1 C16.1 C18.1 C19.1 C20.2 C21.2 C22.2 C23.2 C24.1 C25.1 C26.2 C27.2 C28.1 C29.1 C30.1 C31.1 C32.1 C33.1 C34.1 C68.1 C69.2 C70.1 C71.2 D2.2 IC1.A6 IC1.A12 IC1.C1 IC1.C6 IC1.C12 IC1.E3 IC1.E5 IC1.E9 IC1.F1 IC1.F12 IC1.H7 IC6.3 IC6.6 IC7.3 IC7.6 J3.2 J4.5 J4.11 J4.12 J4.17 J4.18 J4.23 J4.24 J4.29 J4.30 J4.31 J4.35 J4.36 J4.41 J4.42 J4.47 J4.48 J4.53 J4.54 J4.59 J4.60 J4.65 J4.66 J4.71 J4.72 J4.73 J4.75 J4.78 J4.80 J5.5 J5.6 J5.11 J5.12 J5.15 J5.17 J5.18 J5.23 J5.24 J5.29 J5.30 J5.35 J5.36 J5.39 J5.40 J5.45 J5.46 J5.51 J5.52 J5.57 J5.58 J5.63 J5.64 J5.69 J5.70 J5.75 J5.76 LD2.1 R4.1 R24.1 R27.1 T1.2 T2.2 | length 109.9
  TOP w0.25: C20.2@13.849,20.581 16.019,20.581 IC1.A6@16.135,20.465
  TOP w0.3: v1(4.301,14.75) 4.475,14.75 J4.66@5.374,14.75 ; v1(4.301,17.75) 4.475,17.75 J4.54@5.374,17.75 ; v1(4.3,20.757) 4.474,20.757 J4.42@5.375,20.757 ; J4.30@5.362,23.756 6.263,23.756 v1(6.437,23.756) ; J4.80@5.374,11.25 J4.78@5.374,11.75 6.275,11.75 v1(6.449,11.75) ; J4.72@5.374,13.25 v1(6.449,13.25) ; J4.60@5.374,16.25 6.275,16.25 v1(6.449,16.25) ; J4.48@5.374,19.241 v1(6.449,19.241) ; J4.36@5.375,22.257 6.276,22.257 v1(6.45,22.257) ; J4.24@5.375,25.257 6.276,25.257 v1(6.45,25.257) ; J4.18@5.375,26.758 6.276,26.758 v1(6.45,26.758) ; J4.12@5.374,28.254 6.329,28.254 6.916,28.841 v1(7.027,28.841) 7.167,28.841 7.759,28.25 J4.11@8.626,28.25 ; v1(7.027,30.569) 7.027,30.086 7.363,29.75 J4.5@8.626,29.75 ; v1(7.551,12.746) 7.725,12.746 J4.73@8.626,12.746 J4.75@8.626,12.246 ; v1(7.551,13.246) 7.725,13.246 J4.71@8.626,13.246 ; v1(7.551,14.758) 7.725,14.758 J4.65@8.626,14.758 ; v1(7.551,16.246) 7.725,16.246 J4.59@8.626,16.246 ; v1(7.551,17.746) 7.725,17.746 J4.53@8.626,17.746 ; v1(7.551,19.246) J4.47@8.626,19.246 ; v1(7.551,20.747) 7.725,20.747 J4.41@8.626,20.747 ; v1(7.551,22.246) 7.725,22.246 J4.35@8.626,22.246 ; v1(7.551,23.246) 7.725,23.246 J4.31@8.626,23.246 ; v1(7.551,23.75) 7.725,23.75 J4.29@8.626,23.75 ; v1(7.551,25.25) 7.725,25.25 J4.23@8.626,25.25 ; v1(7.551,26.75) 7.725,26.75 J4.17@8.626,26.75 ; v1(14.297,38.246) 14.322,38.221 C24.1@15.797,38.221 ; v1(16.532,39.267) 16.536,39.271 C70.1@17.722,39.271 ; v1@18.426,30.651 C1.1@19.158,30.651 ; C21.2@19.122,33.946 v1(19.922,33.946) ; C25.1@19.225,11.4 20.238,11.4 C22.2@20.25,11.412 v1(21.103,11.412) ; v1(21.875,11.313) C27.2@21.875,12.167 ; v1(23.8,11.275) 23.8,12.128 C34.1@23.806,12.134 23.838,12.167 C32.1@24.923,12.167 ; C33.1@23.882,30.65 C16.1@24.923,30.65 v1(25.65,30.65) ; v1(24.9,1.3) 27.25,1.3 LD2.1@27.275,1.275 ; R27.1@25.047,32.146 v1(26.172,32.146) 26.172,33.028 26.444,33.3 C28.1@27.225,33.3 ; C69.2@25.375,5.25 v1(26.4,5.25) ; C26.2@26.974,14.141 26.974,13.326 v1(27,13.3) ; v1(28.5,6.4) C31.1@28.5,7.8 ; T1.2@31.425,3.634 v1(31.425,4.725) ; v1(31.725,12.3) 31.725,12.25 J5.76@33.374,12.25 ; v1(31.975,13.7) 32.025,13.75 J5.70@33.374,13.75 ; v1(32.287,23.756) 32.461,23.756 J5.30@33.362,23.756 ; v1(32.299,16.75) 32.473,16.75 J5.58@33.374,16.75 ; v1(32.299,18.25) 32.473,18.25 J5.52@33.374,18.25 ; v1(32.299,19.754) 32.473,19.754 J5.46@33.374,19.754 ; v1(32.299,21.253) 32.473,21.253 J5.40@33.374,21.253 ; v1(32.299,22.253) 32.473,22.253 J5.36@33.374,22.253 ; v1(32.299,25.254) 32.473,25.254 J5.24@33.374,25.254 ; v1(32.299,26.754) 32.473,26.754 J5.18@33.374,26.754 ; v1(32.299,28.254) 32.473,28.254 J5.12@33.374,28.254 ; v1(32.299,29.754) 32.473,29.754 J5.6@33.374,29.754 ; J5.64@33.374,15.25 34.275,15.25 v1(34.449,15.25) ; T2.2@34.975,3.634 v1(34.975,4.725) ; v1(35.551,13.746) 35.725,13.746 J5.69@36.626,13.746 ; v1(35.551,15.246) 35.725,15.246 J5.63@36.626,15.246 ; v1(35.551,16.746) 35.725,16.746 J5.57@36.626,16.746 ; v1(35.551,19.747) 35.725,19.747 J5.45@36.626,19.747 ; v1(35.551,21.247) 35.725,21.247 J5.39@36.626,21.247 ; v1(35.551,22.246) 35.725,22.246 J5.35@36.626,22.246 ; v1(35.551,23.75) 35.725,23.75 J5.29@36.626,23.75 ; v1(35.551,25.25) 35.725,25.25 J5.23@36.626,25.25 ; v1(35.551,26.75) 35.725,26.75 J5.17@36.626,26.75 ; v1(35.551,27.25) 35.725,27.25 J5.15@36.626,27.25 ; v1(35.551,28.25) 35.725,28.25 J5.11@36.626,28.25 ; v1(35.551,29.75) 35.725,29.75 J5.5@36.626,29.75 ; v1(35.563,18.244) 35.737,18.244 J5.51@36.638,18.244 ; J5.75@36.626,12.246 37.721,12.246 v1(37.725,12.25)
  TOP w0.305: v1(16.935,36.796) 16.935,36.78 C71.2@18.008,36.78 ; v1(17.289,8.746) 17.299,8.756 R24.1@18.142,8.756 ; v1(19.132,32.479) 19.15,32.498 20.091,32.498 20.478,32.11 ; IC6.3@20.126,4.031 21.483,4.031 v1(21.51,4.058) ; C3.1@20.478,30.669 20.478,32.11 ; C6.1@20.858,32.49 20.478,32.11 ; C6.1@21.113,32.49 21.725,32.49 v1(21.725,32.5) ; IC7.3@21.45,38.025 23.147,38.025 v1(23.147,38.046) ; C5.1@21.799,30.65 v1(21.8,31.325) ; C68.1@23.75,1.275 24.9,1.275 v1(24.9,1.3) ; C12.1@26.865,24.961 27.463,24.961 v1(27.489,24.936) ; C7.1@26.956,18.95 26.961,18.955 C8.1@26.961,21.437 ; C8.1@26.956,21.437 C8.1@26.961,21.437 ; R4.1@26.961,22.453 C8.1@26.961,21.437 ; v1(27.575,31.675) C29.1@28.35,31.675 ; v1(27.625,21.55) 27.512,21.437 C8.1@26.961,21.437 ; C14.1@29.15,19.325 v1@29.897,19.325 ; C10.1@29.158,22.599 29.905,22.599 v1(29.905,22.6) ; C11.1@29.158,23.945 29.905,23.945 v1(29.905,23.946) ; C9.1@29.158,24.91 29.905,24.91 v1(29.905,24.911) ; C19.1@29.202,26.002 29.949,26.002 v1(29.949,26.004) ; C18.1@29.202,27.704 29.949,27.704 v1(29.949,27.705)
  TOP w1: D2.2@5.25,4.6 6.225,3.625 J3.2@6.225,2.05
  other v1: 10.094,2.236 16.094,2.236 18.094,2.236 34.094,2.236 36.094,2.236 12.2,2.675 12.2,3.35 12.2,4.025 3.094,4.236 7.094,4.236 11.094,4.236 17.094,4.236 39.094,4.236 41.094,4.236 12.2,4.7 12.2,5.375 2.094,6.236 4.094,6.236 6.094,6.236 8.094,6.236 10.094,6.236 16.094,6.236 18.094,6.236 38.094,6.236 40.094,6.236 3.094,8.236 5.094,8.236 7.094,8.236 9.094,8.236 33.094,8.236 35.094,8.236 37.094,8.236 41.094,8.236 2.094,10.236 4.094,10.236 6.094,10.236 38.094,10.236 3.094,12.236 31.094,12.236 39.094,12.236 41.094,12.236 2.094,14.236 38.094,14.236 3.094,16.236 35.094,16.236 39.094,16.236 41.094,16.236 2.094,18.236 4.094,18.236 29.897,19.326 3.094,20.236 7.094,20.236 35.094,20.236 39.094,20.236 41.094,20.236 2.094,22.236 38.094,22.236 31.094,24.236 35.094,24.236 39.094,24.236 41.094,24.236 32.094,26.236 38.094,26.236 31.094,28.236 41.094,28.236 4.094,30.236 28.094,30.236 30.094,30.236 38.094,30.236 40.094,30.236 18.425,30.65 5.094,32.236 9.094,32.236 37.094,32.236 39.094,32.236 41.094,32.236 6.094,34.236 8.094,34.236 12.094,34.236 34.094,34.236 36.094,34.236 38.094,34.236 40.094,34.236 27,35.575 27.488,35.575 27.975,35.575 3.094,36.236 5.094,36.236 7.094,36.236 11.094,36.236 33.094,36.236 39.094,36.236 41.094,36.236 4.094,38.236 10.094,38.236 12.094,38.236 18.094,38.236 24.094,38.236 38.094,38.236 5.094,40.236 7.094,40.236 9.094,40.236 11.094,40.236 13.094,40.236 15.094,40.236 23.094,40.236 31.094,40.236 33.094,40.236 35.094,40.236 37.094,40.236 26.925,40.425 27.413,40.425 27.9,40.425
LVDS_CLK_N: IC1.D2 J4.76 | length 22.9
  TOP w0.125: v1(4,12.238) 4.012,12.25 J4.76@5.374,12.25
  L5 w0.1: v1(4,12.238) 4.103,12.34 6.635,12.34 9.22,9.755 17.183,9.755 20.52,13.092 20.52,14.353 19.945,14.928 IC1.D2@19.945,15.385
LVDS_CLK_P: IC1.D1 J4.74 | length 23.1
  TOP w0.125: v1(4,12.763) 4.012,12.75 J4.74@5.374,12.75
  L5 w0.1: v1(4,12.763) 4.102,12.66 4.55,12.66 4.58,12.66 ccw(c4.58,12.73) 4.65,12.73 4.65,12.983 cw(c4.72,12.983) 4.72,13.053 4.78,13.053 cw(c4.78,12.983) 4.85,12.983 4.85,12.66 ccw(c4.92,12.66) 4.92,12.59 4.98,12.59 ccw(c4.98,12.66) 5.05,12.66 5.05,12.983 cw(c5.12,12.983) 5.12,13.053 5.18,13.053 cw(c5.18,12.983) 5.25,12.983 5.25,12.66 ccw(c5.32,12.66) 5.32,12.59 5.38,12.59 ccw(c5.38,12.66) 5.45,12.66 5.45,12.983 cw(c5.52,12.983) 5.52,13.053 5.58,13.053 cw(c5.58,12.983) 5.65,12.983 5.65,12.73 ccw(c5.72,12.73) 5.72,12.66 5.75,12.66 6.768,12.66 9.353,10.075 17.05,10.075 19.945,12.97 IC1.D1@19.945,14.115
NetC1_2: C1.2 IC1.D11 | length 3.3
  TOP w0.203: C1.2@19.158,29.751 19.316,29.592 19.316,27.444 IC1.D11@19.945,26.815
NetC2_2: C2.2 IC1.D12 | length 3.6
  TOP w0.203: C2.2@19.767,31.598 19.767,28.263 IC1.D12@19.945,28.085
NetC3_2: C3.2 IC1.E10 | length 4.5
  TOP w0.203: C3.2@20.478,29.769 20.586,29.661 20.586,26.174 IC1.E10@21.215,25.545
NetC4_2: C4.2 IC1.F10 | length 4.7
  TOP w0.203: IC1.F10@22.485,25.545 23.114,26.174 23.114,29.445 C4.2@22.764,29.794
NetC5_2: C5.2 IC1.E11 | length 3.3
  TOP w0.203: IC1.E11@21.215,26.815 21.844,27.444 21.844,29.768 C5.2@21.799,29.812
NetC6_2: C6.2 IC1.E12 | length 3.5
  TOP w0.203: C6.2@21.113,31.59 21.215,31.489 IC1.E12@21.215,28.085
NetC7_2: C7.2 IC1.F6 | length 4.4
  TOP w0.203: IC1.F6@22.485,20.465 23.114,19.837 25.588,19.837 26.056,19.369 C7.2@26.056,18.95
NetC8_2: C8.2 IC1.F8 | length 4.8
  TOP w0.203: IC1.F8@22.485,23.005 23.126,22.364 24.015,22.364 24.384,21.995 24.384,21.488 24.765,21.107 25.726,21.107 C8.2@26.056,21.437
NetC9_2: C9.2 IC1.H9 | length 3.6
  TOP w0.203: IC1.H9@25.025,24.275 27.5,24.275 27.975,24.75 28.167,24.75 C9.2@28.327,24.91
NetC10_2: C10.2 IC1.H8 | length 3.7
  TOP w0.254: IC1.H8@25.025,23.005 25.147,23.005 25.548,23.407 27.45,23.407 C10.2@28.258,22.599
NetC11_2: C11.2 IC1.G9 | length 5
  TOP w0.203: IC1.G9@23.755,24.275 24.384,23.647 25.285,23.647 25.584,23.945 C11.2@28.258,23.945 C11.2@28.327,23.945
NetC12_2: C12.2 IC1.F9 | length 3.8
  TOP w0.203: IC1.F9@22.485,24.275 23.114,24.904 25.908,24.904 C12.2@25.965,24.961
NetC13_2: C13.2 IC1.G5 | length 5.7
  TOP w0.3: v1(27.425,18.3) 28.039,18.3 C13.2@28.2,18.461
  L5 w0.203: IC1.G5@23.755,19.195 24.384,19.824 26.301,19.824 27.45,18.675 27.425,18.65 v1(27.425,18.3)
NetC14_2: C14.2 IC1.G6 | length 6.3
  TOP w0.203: C14.2@28.2,19.325 v1(28.2,20.4)
  L5 w0.203: IC1.G6@23.755,20.465 24.384,21.094 27.906,21.094 28.2,20.8 v1(28.2,20.4)
NetC15_2: C15.2 IC1.F5 | length 6.5
  TOP w0.203: IC1.F5@22.485,19.195 23.126,18.554 25.362,18.554 26.565,17.35 28,17.35 C15.2@28.15,17.5
NetC16_2: C16.2 IC1.G11 | length 3.5
  TOP w0.203: IC1.G11@23.755,26.815 24.396,27.457 24.396,29.274 C16.2@24.923,29.801
NetC17_2: C17.2 IC1.G10 | length 3
  TOP w0.203: IC1.G10@23.755,25.545 24.384,26.174 25.724,26.174 C17.2@26.275,26.725
NetC18_2: C18.2 IC1.H11 | length 3.6
  TOP w0.254: IC1.H11@25.025,26.815 25.147,26.815 26.036,27.704 C18.2@28.258,27.704 C18.2@28.302,27.704
NetC19_2: C19.2 IC1.H10 | length 3.5
  TOP w0.254: IC1.H10@25.025,25.545 27.877,25.545 C19.2@28.334,26.002
NetIC1_G8: IC1.G8 R4.2 | length 2.6
  TOP w0.203: IC1.G8@23.755,23.005 23.923,23.005 24.552,22.377 25.945,22.377 R4.2@26.021,22.453
NetIC6_1: IC6.1 R22.2 | length 2.1
  TOP w0.203: IC6.1@20.126,1.491 20.291,1.326 R22.2@22.206,1.326
NetIC6_5: IC6.5 R23.1 R24.2 | length 4.5
  TOP w0.203: R24.2@19.742,8.756 19.742,7.858 20.126,7.474 IC6.5@20.126,6.571 21.99,6.571 R23.1@22.206,6.787
NetIC7_1: IC7.1 R25.2 | length 2.5
  TOP w0.125: R25.2@19.03,40.839 19.056,40.839 19.33,40.565 IC7.1@21.45,40.565